# Altium PCB PowerModul.PcbDoc (part 1 of 2)
Units mm, origin at the board's own origin, x right, y up, seen from the top; angles counter-clockwise.
Board outline 99.76 x 99.76 mm, 4 copper layers (Top Layer, Layer 1, Layer 2, Bottom Layer), stack 0.603 mm thick; 119 components, 43 nets, 313 pads, 976 vias.
Unrouted connection lines stored in the file: 3.
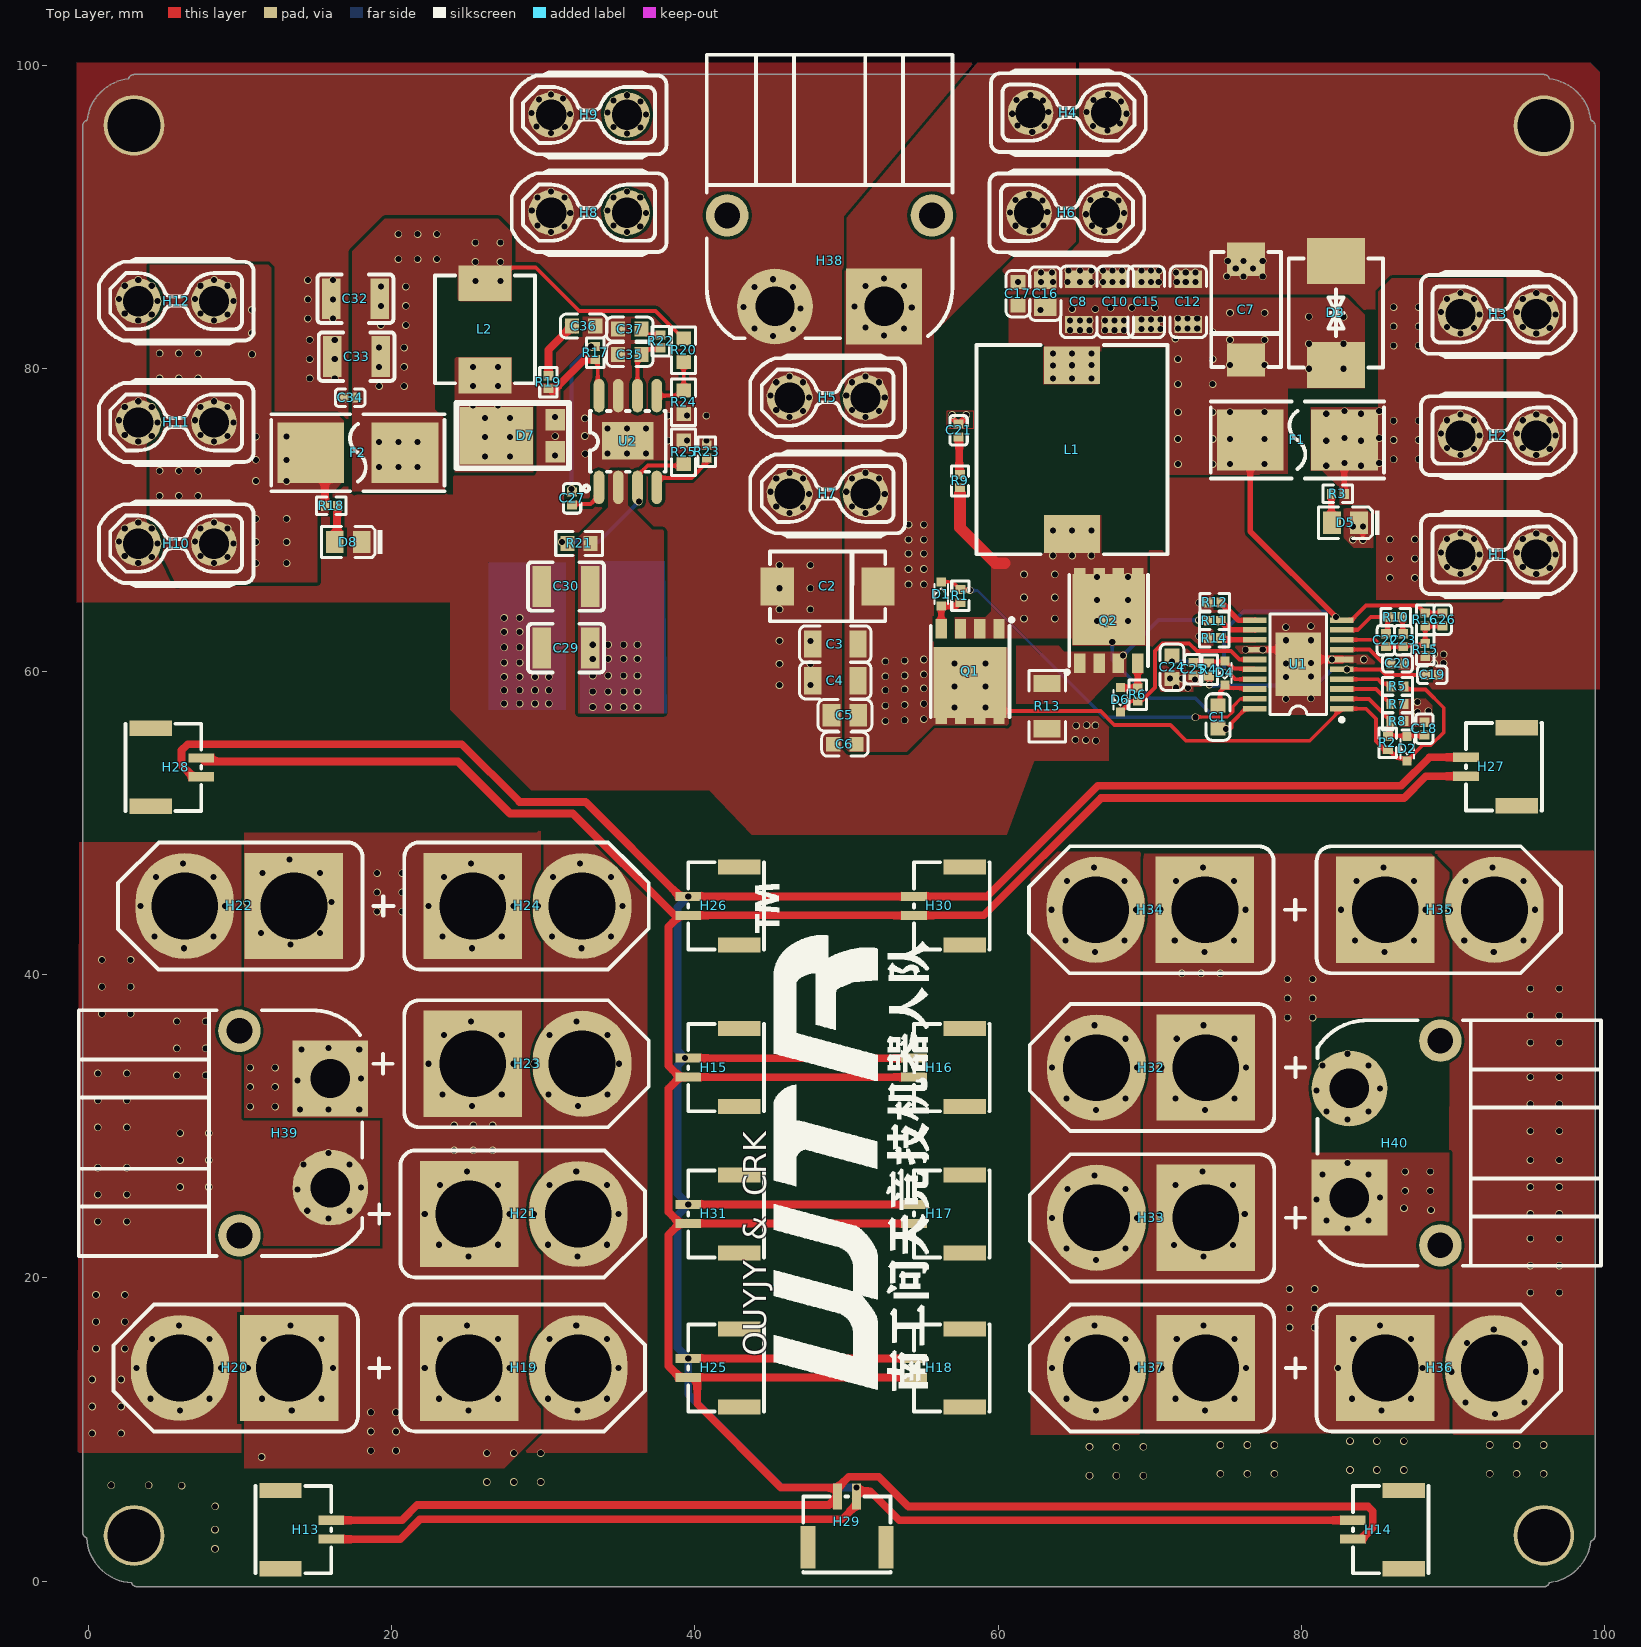
[diagram p0: Top Layer view]
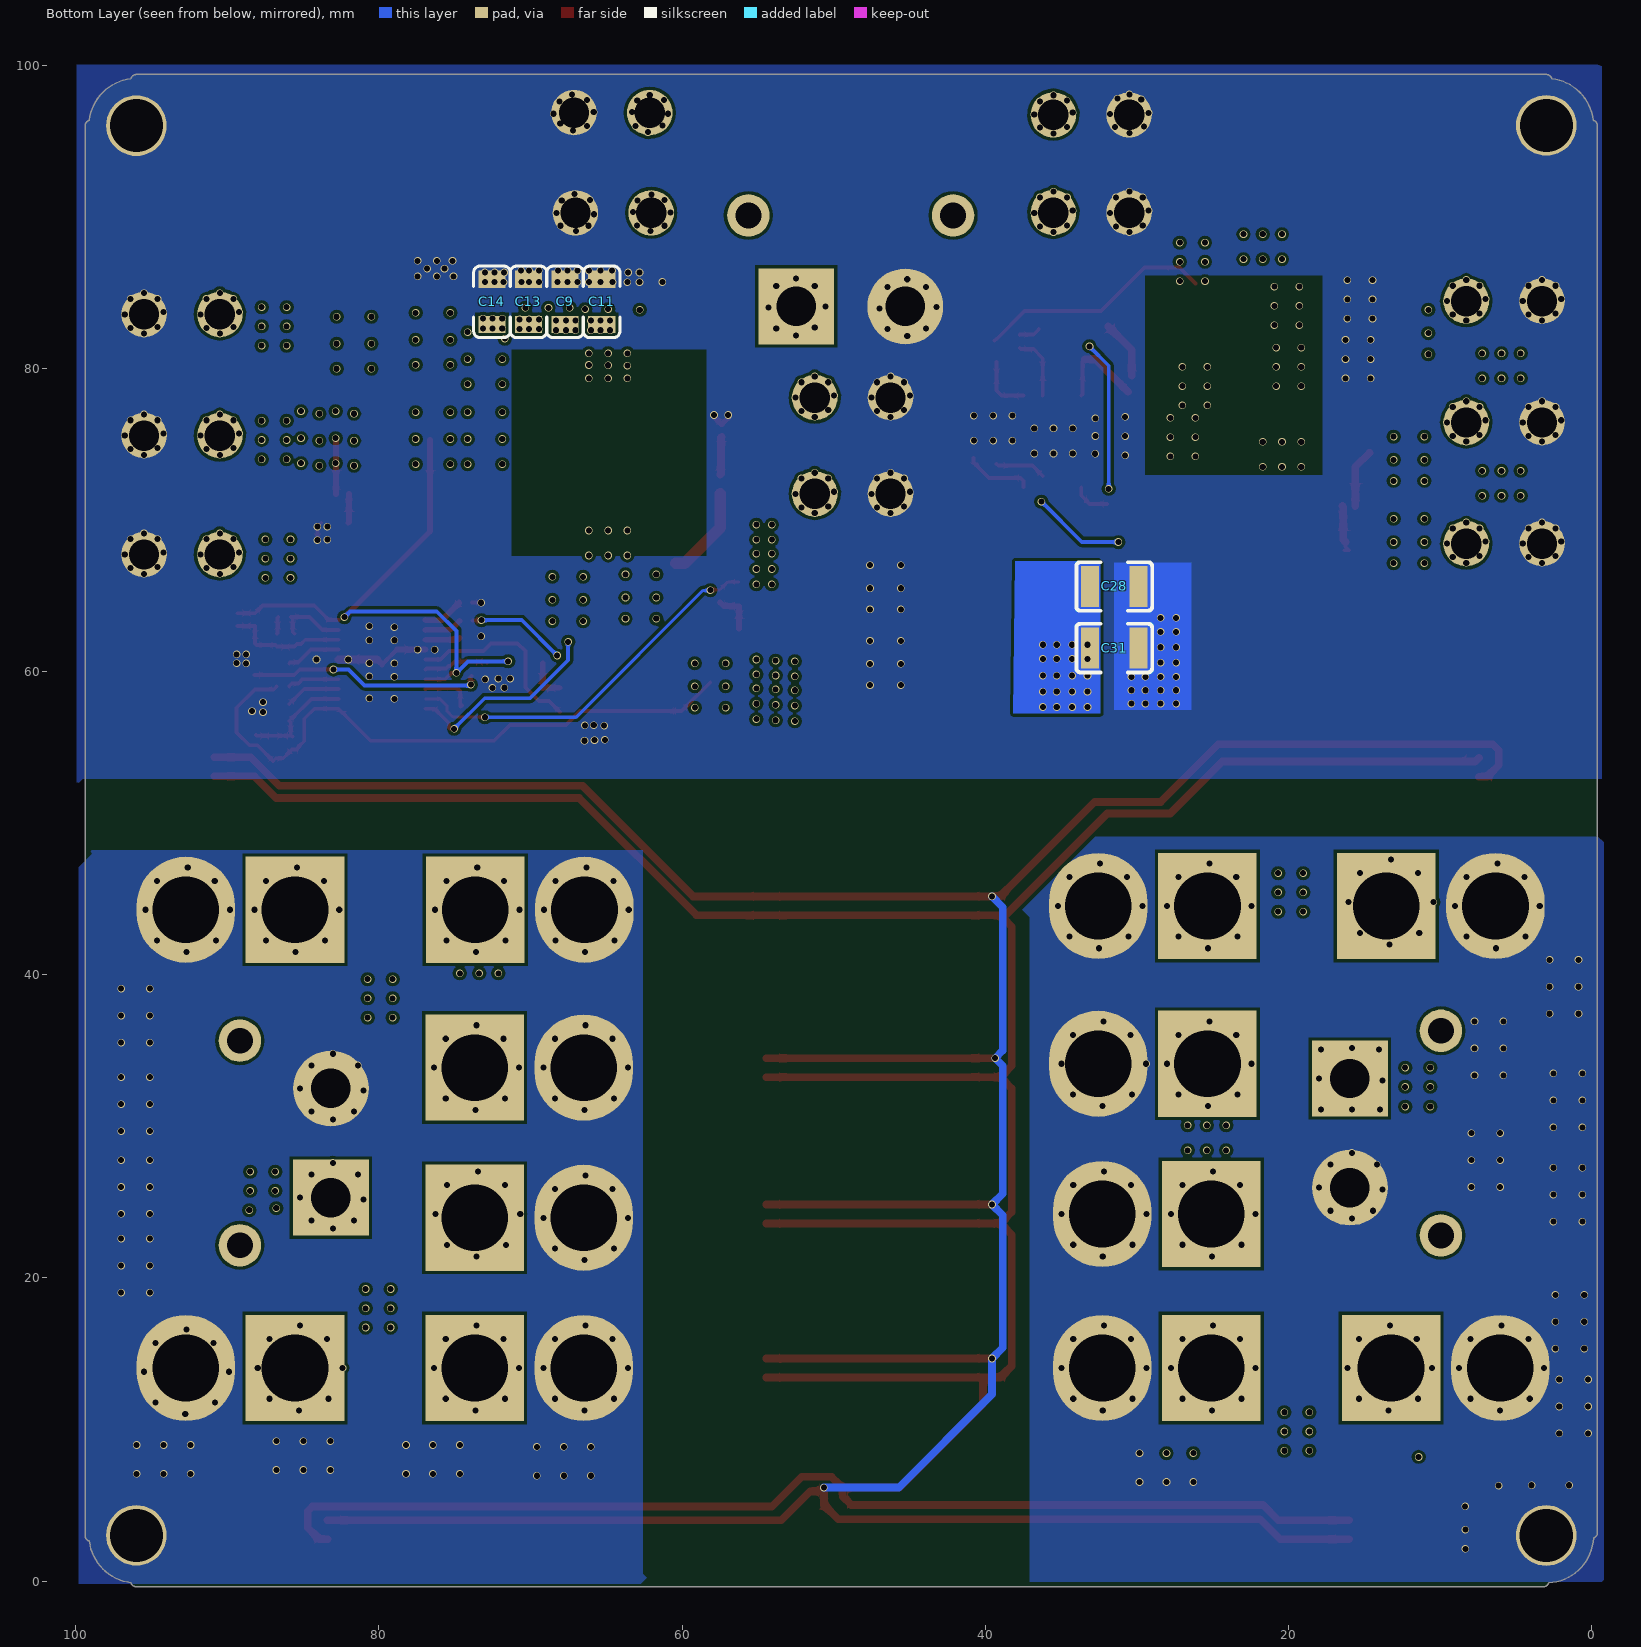
[diagram p1: Bottom Layer view, seen from below]
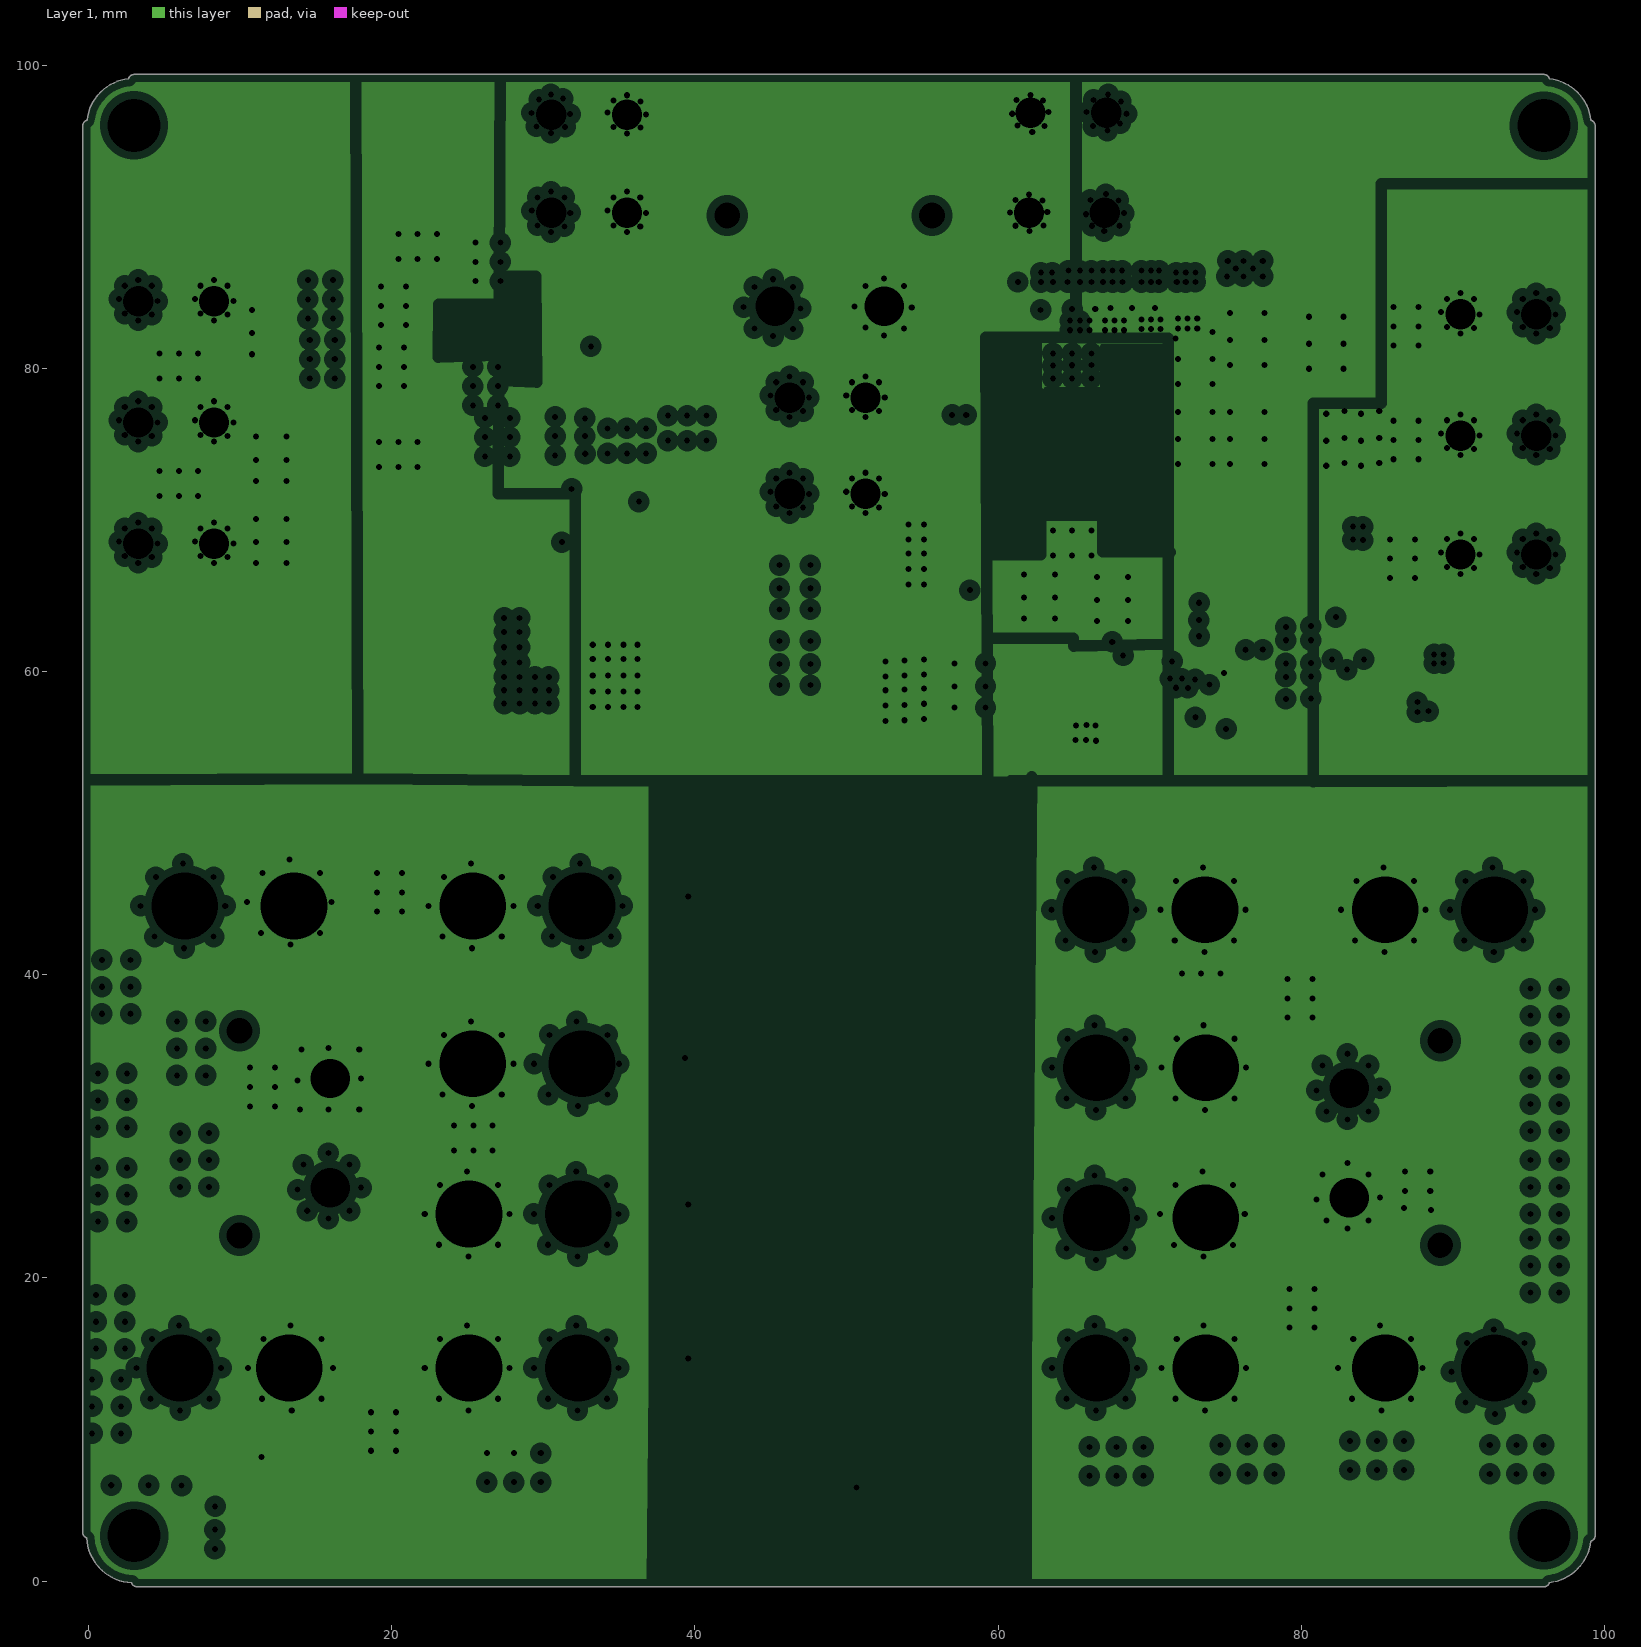
[diagram p2: Layer 1, clearances drawn from the general rule]
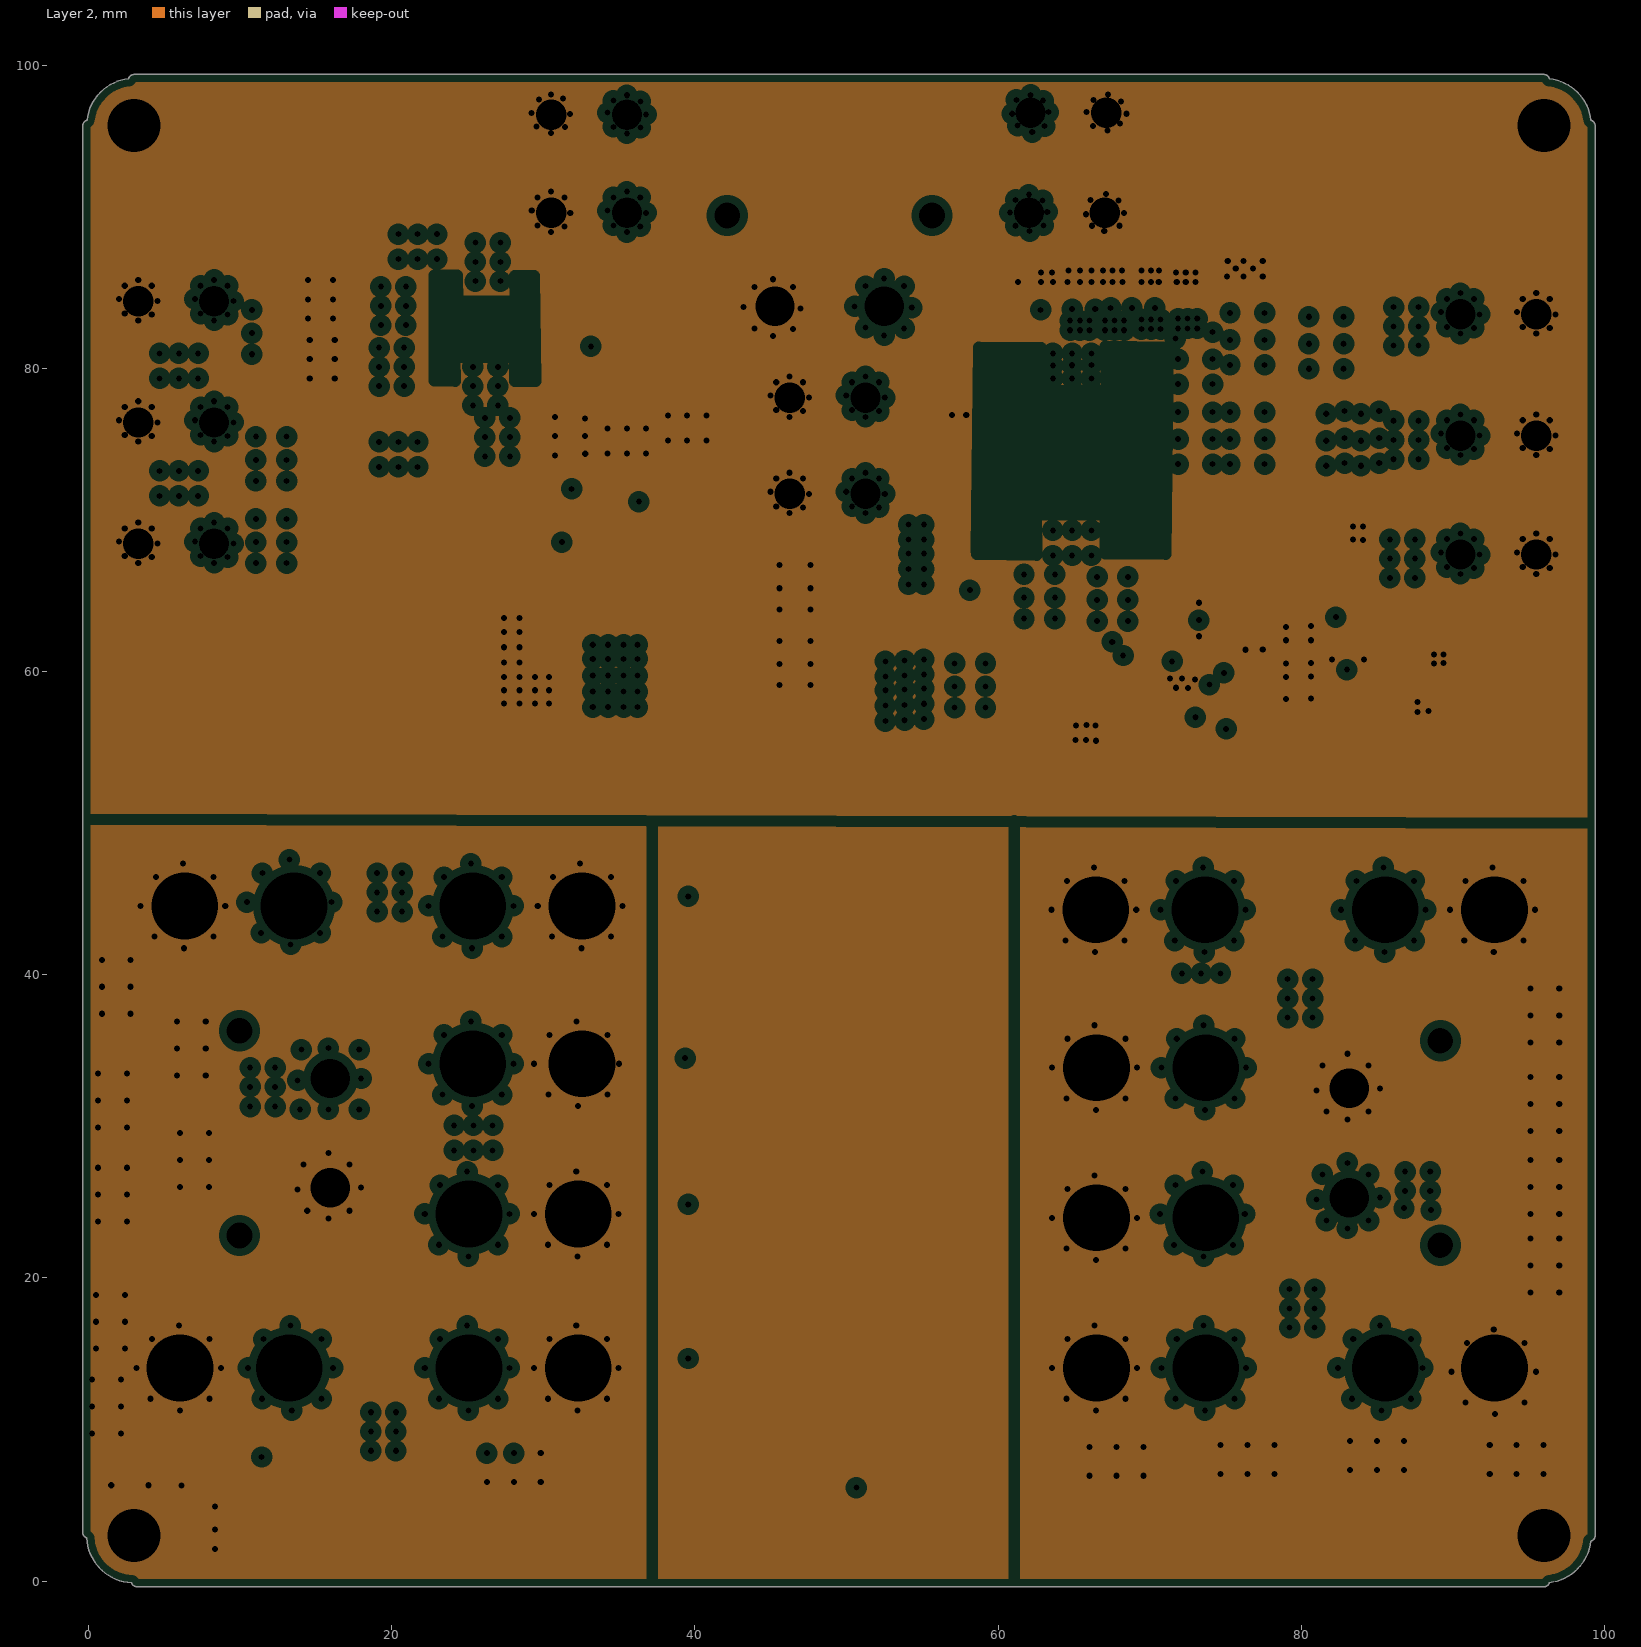
[diagram p3: Layer 2, clearances drawn from the general rule]
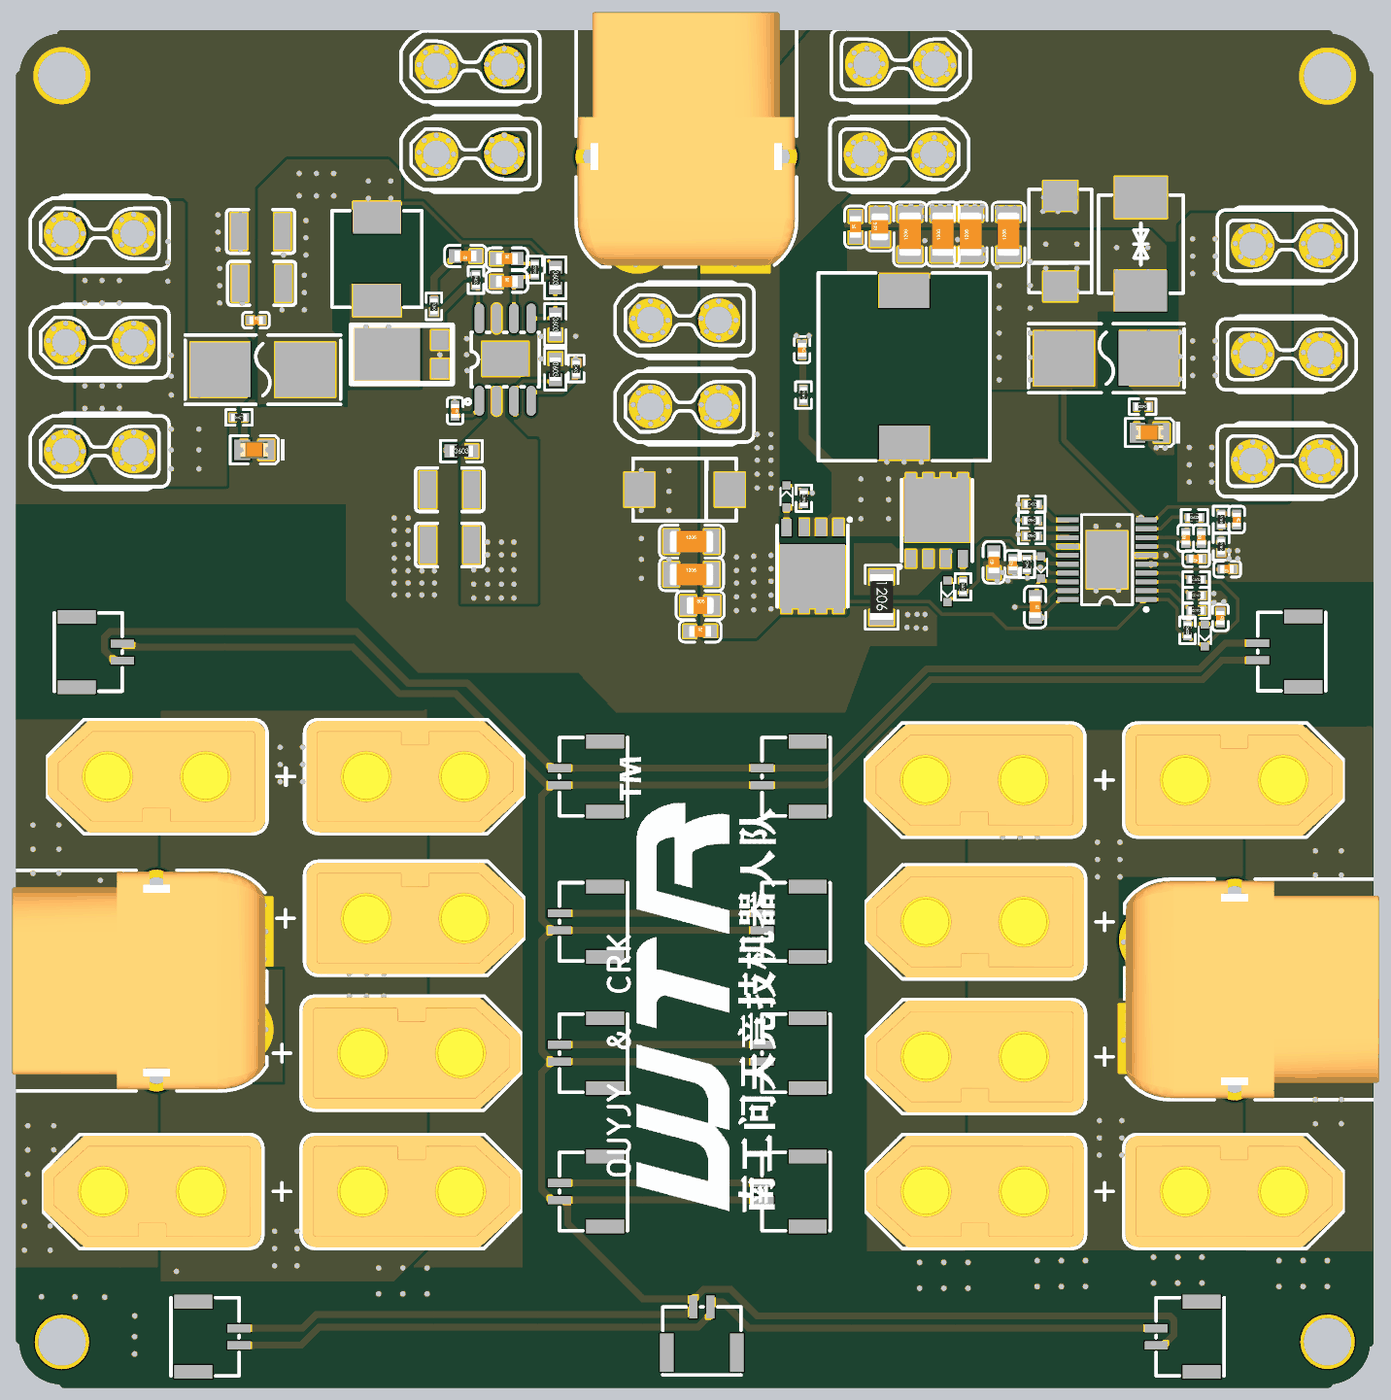
[diagram p5: 3D render of the assembled board from above, using the file's embedded part models]
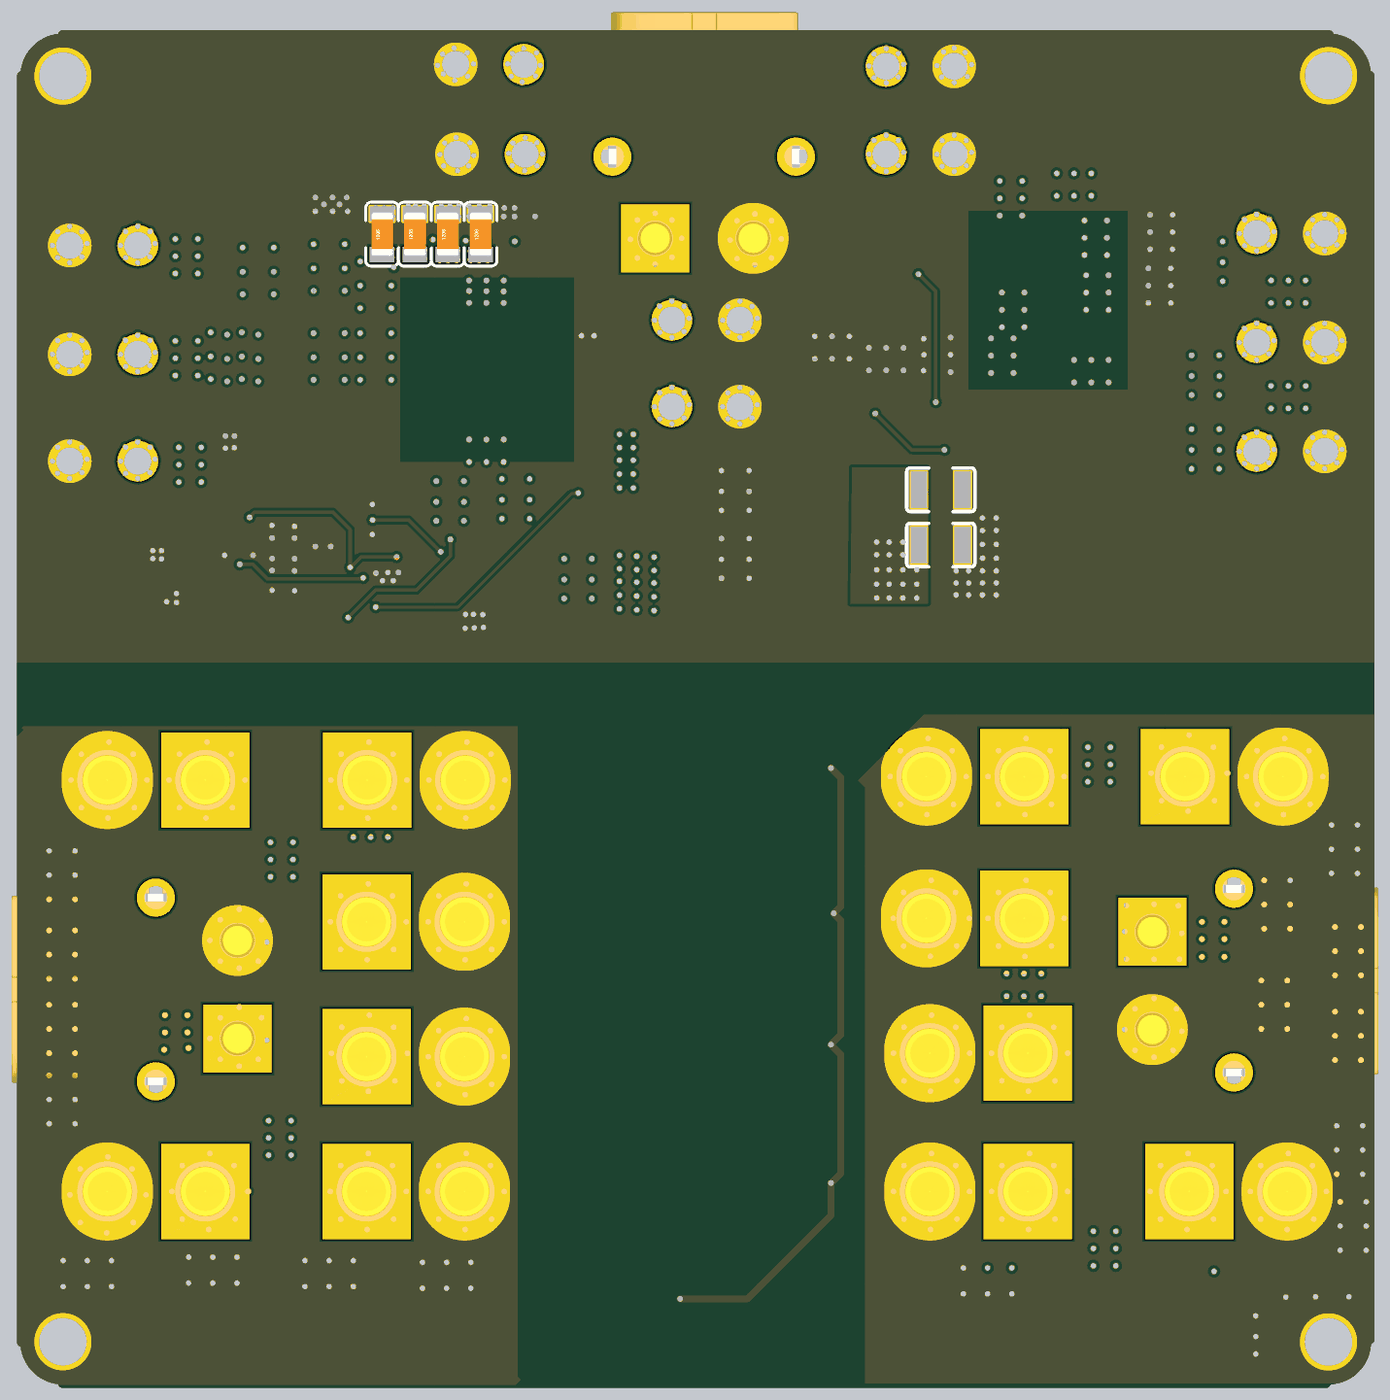
[diagram p6: 3D render of the assembled board from below, using the file's embedded part models]

## Layer stack, top to bottom
Top Solder: solder mask 0.0102, Solder Resist, Dk 3.5
Top Layer: signal copper 0.0356
Dielectric 2: prepreg 0.0711, PP-006, Dk 4.1
Layer 1: plane copper 0.035, net (Multiple Nets)
Dielectric 1: dielectric 0.32, FR-4, Dk 4.8
Layer 2: plane copper 0.035, net (Multiple Nets)
Dielectric 3: prepreg 0.0711, PP-006, Dk 4.1
Bottom Layer: signal copper 0.0356
Bottom Solder: solder mask 0.0102, Solder Resist, Dk 3.5

## Board outline
-0.381,3.2 ccw(c0,3.2) -0.123,2.839 ccw(c2.998,3.002) 2.838,-0.119 ccw(c3.2,0) 3.2,-0.381 96,-0.381 ccw(c96,0) 96.366,-0.106 ccw(c95.998,2.998) 99.102,2.632 ccw(c99,3) 99.381,3 99.381,95.996 ccw(c99,95.996) 99.106,96.362 ccw(c96.002,95.998) 96.363,99.102 ccw(c95.996,99) 95.996,99.381 3.004,99.381 ccw(c3.004,99) 2.638,99.106 ccw(c3.002,96.002) -0.102,96.363 ccw(c0,95.996) -0.381,95.996